# Altium PCB mppt.PcbDoc (part 1 of 5) (continued)
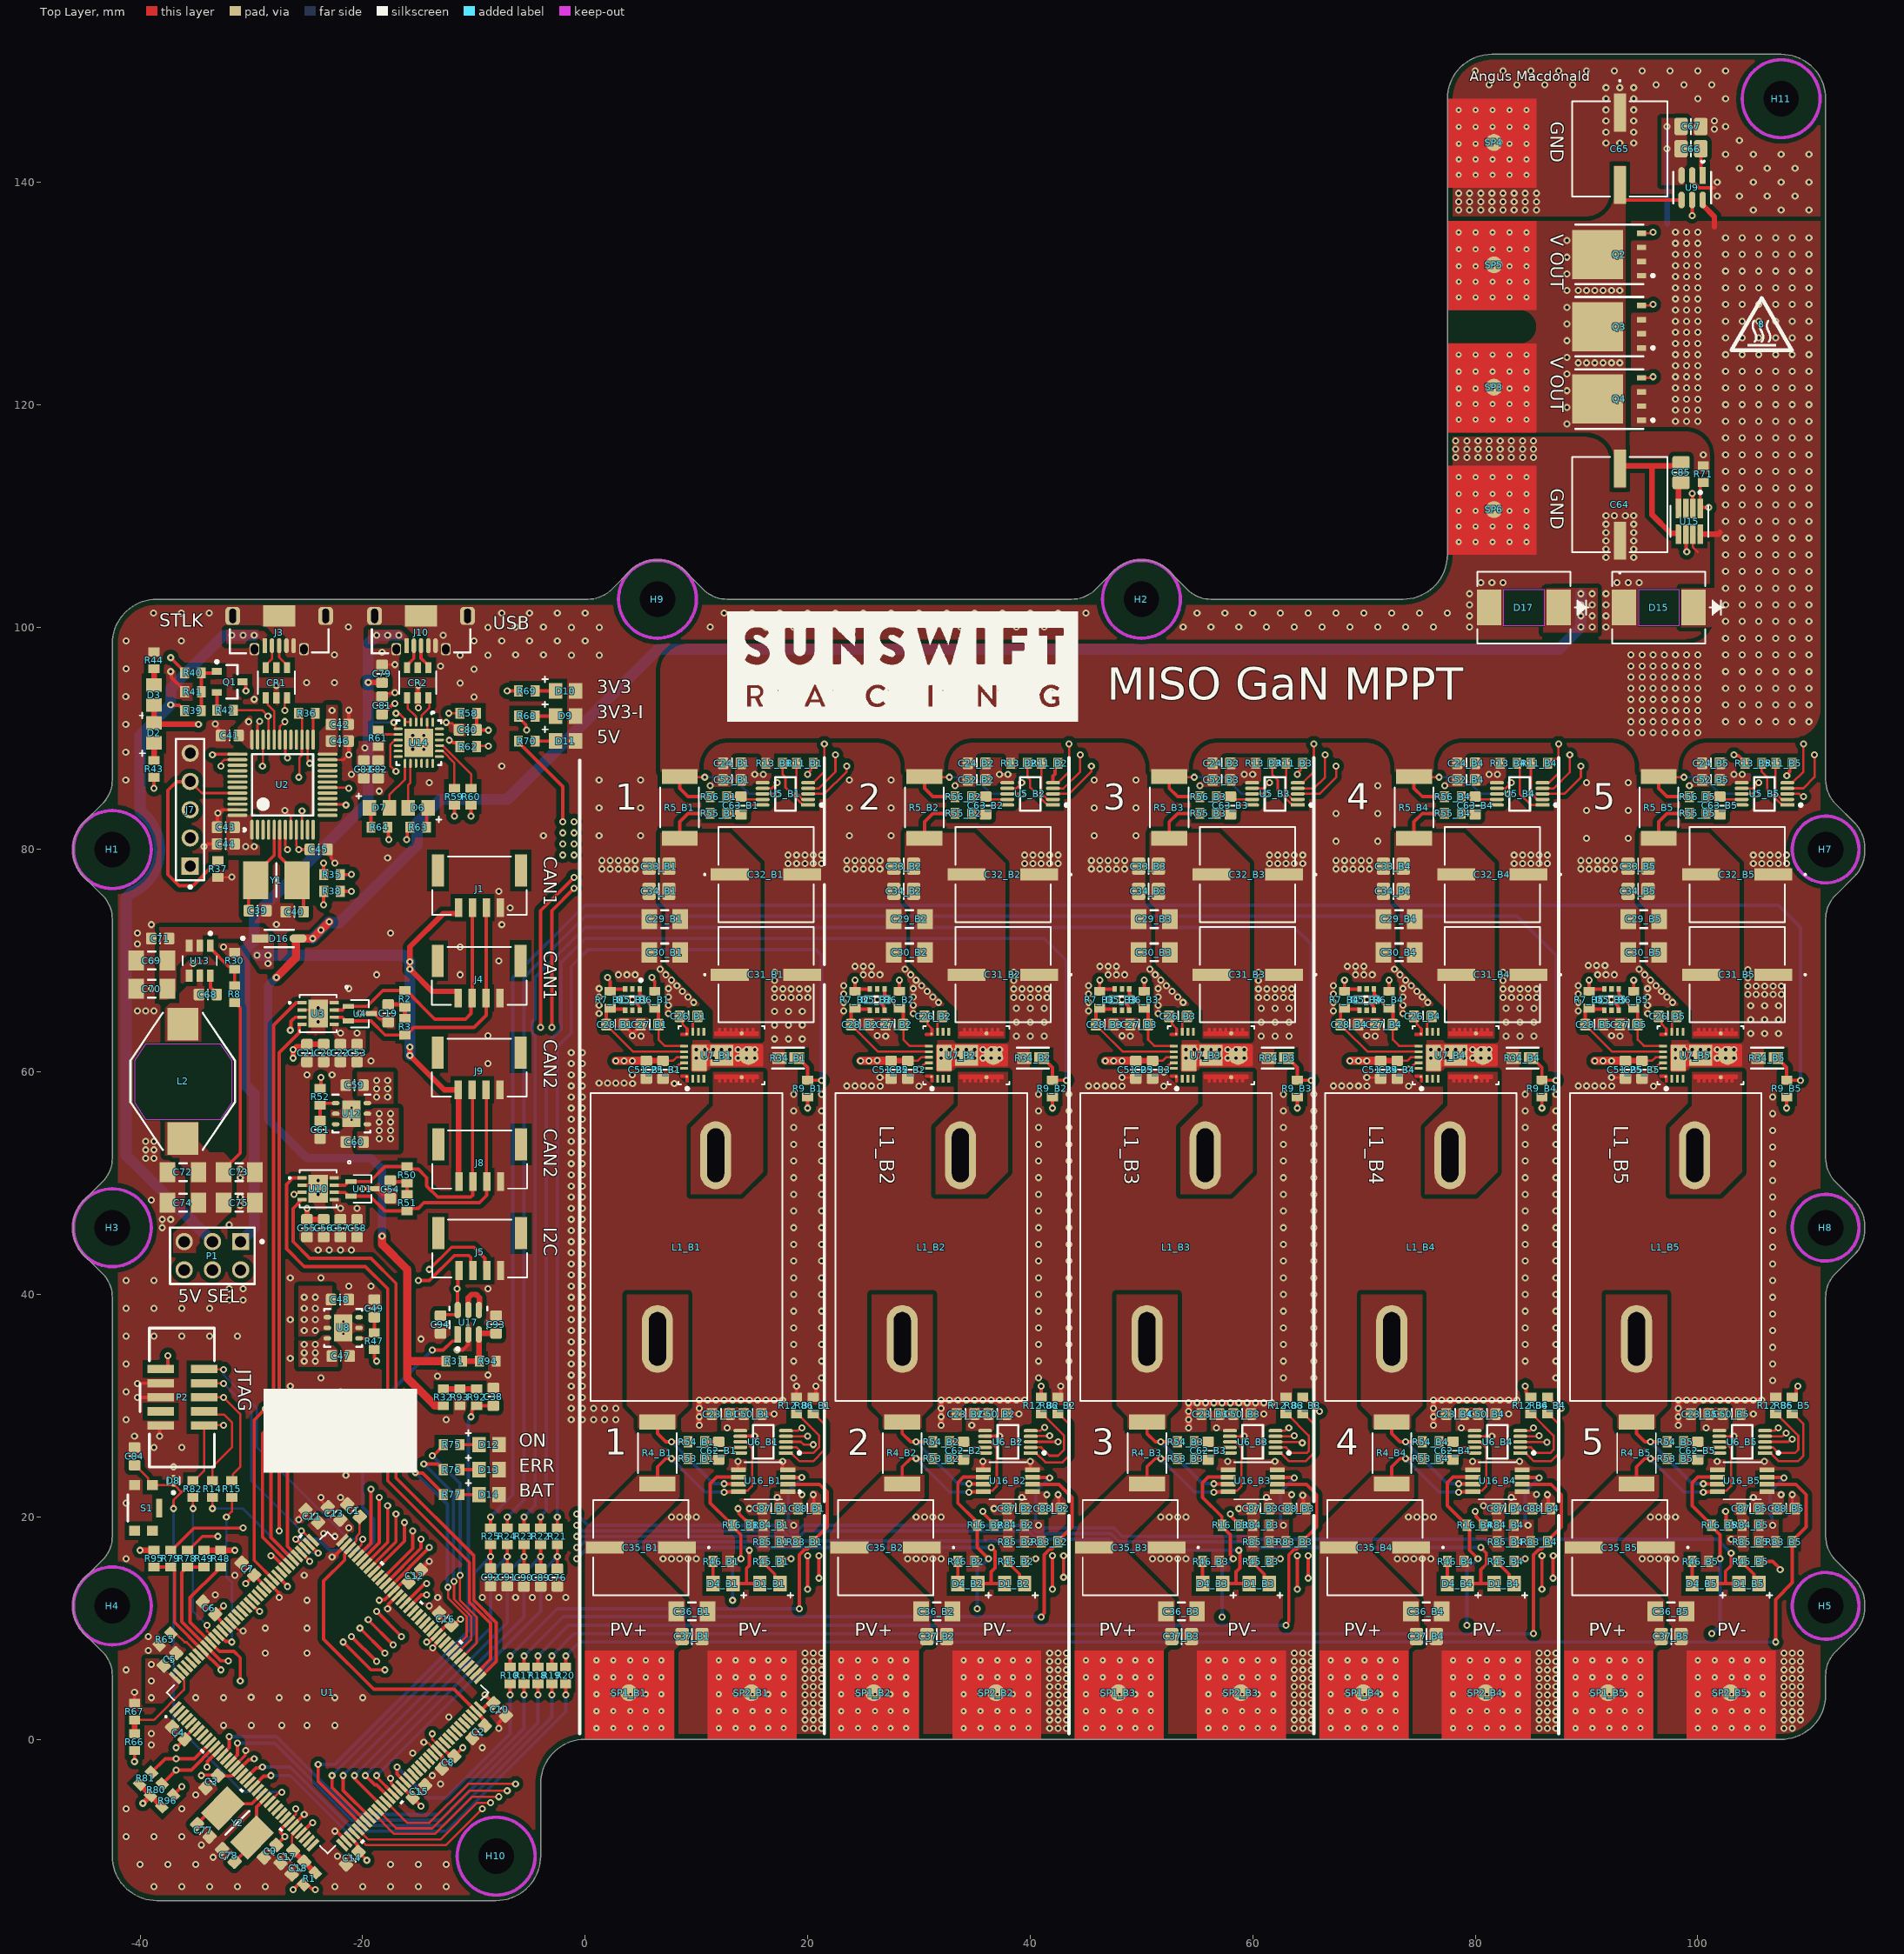
[diagram p0: Top Layer view]
## Components (designator, comment, footprint, x,y, rotation, side; value= is the part's Value field where it differs from the comment) (continued)
C31_B3 "EEEFK2A220P" CAP_EEE-FK2A220P_PAN 59.551,68.75 r180 top value=22µF (schematic designator C31)
C31_B4 "EEEFK2A220P" CAP_EEE-FK2A220P_PAN 81.551,68.75 r180 top value=22µF (schematic designator C31)
C31_B5 "EEEFK2A220P" CAP_EEE-FK2A220P_PAN 103.551,68.75 r180 top value=22µF (schematic designator C31)
C32_B1 "EEEFK2A220P" CAP_EEE-FK2A220P_PAN 16.251,77.75 r180 top value=22µF (schematic designator C32)
C32_B2 "EEEFK2A220P" CAP_EEE-FK2A220P_PAN 37.551,77.75 r180 top value=22µF (schematic designator C32)
C32_B3 "EEEFK2A220P" CAP_EEE-FK2A220P_PAN 59.551,77.75 r180 top value=22µF (schematic designator C32)
C32_B4 "EEEFK2A220P" CAP_EEE-FK2A220P_PAN 81.551,77.75 r180 top value=22µF (schematic designator C32)
C32_B5 "EEEFK2A220P" CAP_EEE-FK2A220P_PAN 103.551,77.75 r180 top value=22µF (schematic designator C32)
C33_B1 "CC0805KKX7R0BB224" C0805 5.75,78.5 r0 top value=220nF (schematic designator C33)
C33_B2 "CC0805KKX7R0BB224" C0805 27.75,78.5 r0 top value=220nF (schematic designator C33)
C33_B3 "CC0805KKX7R0BB224" C0805 49.75,78.5 r0 top value=220nF (schematic designator C33)
C33_B4 "CC0805KKX7R0BB224" C0805 71.75,78.5 r0 top value=220nF (schematic designator C33)
C33_B5 "CC0805KKX7R0BB224" C0805 93.75,78.5 r0 top value=220nF (schematic designator C33)
C34_B1 "CC0805KKX7R0BB224" C0805 5.75,76.25 r0 top value=220nF (schematic designator C34)
C34_B2 "CC0805KKX7R0BB224" C0805 27.75,76.25 r0 top value=220nF (schematic designator C34)
C34_B3 "CC0805KKX7R0BB224" C0805 49.75,76.25 r0 top value=220nF (schematic designator C34)
C34_B4 "CC0805KKX7R0BB224" C0805 71.75,76.25 r0 top value=220nF (schematic designator C34)
C34_B5 "CC0805KKX7R0BB224" C0805 93.75,76.25 r0 top value=220nF (schematic designator C34)
C35_B1 "EEEFK2A220P" CAP_EEE-FK2A220P_PAN 4.999,17.25 r180 top value=22µF (schematic designator C35)
C35_B2 "EEEFK2A220P" CAP_EEE-FK2A220P_PAN 26.999,17.25 r180 top value=22µF (schematic designator C35)
C35_B3 "EEEFK2A220P" CAP_EEE-FK2A220P_PAN 48.999,17.25 r180 top value=22µF (schematic designator C35)
C35_B4 "EEEFK2A220P" CAP_EEE-FK2A220P_PAN 70.999,17.25 r180 top value=22µF (schematic designator C35)
C35_B5 "EEEFK2A220P" CAP_EEE-FK2A220P_PAN 92.999,17.25 r180 top value=22µF (schematic designator C35)
C36_B1 "CC1206KKX7R0BB225" FP-CC1206-1_25-IPC_B 9.6,11.5 r0 top value=2.2µF (schematic designator C36)
C36_B2 "CC1206KKX7R0BB225" FP-CC1206-1_25-IPC_B 31.6,11.5 r0 top value=2.2µF (schematic designator C36)
C36_B3 "CC1206KKX7R0BB225" FP-CC1206-1_25-IPC_B 53.6,11.5 r0 top value=2.2µF (schematic designator C36)
C36_B4 "CC1206KKX7R0BB225" FP-CC1206-1_25-IPC_B 75.6,11.5 r0 top value=2.2µF (schematic designator C36)
C36_B5 "CC1206KKX7R0BB225" FP-CC1206-1_25-IPC_B 97.6,11.5 r0 top value=2.2µF (schematic designator C36)
C37_B1 "CC0805KKX7R0BB224" C0805 10.5,9.25 r180 top value=220nF (schematic designator C37)
C37_B2 "CC0805KKX7R0BB224" C0805 32.5,9.25 r180 top value=220nF (schematic designator C37)
C37_B3 "CC0805KKX7R0BB224" C0805 54.5,9.25 r180 top value=220nF (schematic designator C37)
C37_B4 "CC0805KKX7R0BB224" C0805 76.5,9.25 r180 top value=220nF (schematic designator C37)
C37_B5 "CC0805KKX7R0BB224" C0805 98.5,9.25 r180 top value=220nF (schematic designator C37)
C38 "CC0603KRX7R8BB104" C0603 -8.25,31.613 r270 top value=100nF
C39 "CC0603JPNPO9BN330" C0603 -28.637,74.5 r180 top value=33pF
C40 "CC0603JPNPO9BN330" C0603 -25.3,74.4 r180 top value=33pF
C41 "CC0603KRX7R8BB104" C0603 -32.763,90.25 r0 top value=100nF
C42 "CC0603KRX7R8BB104" C0603 -21.25,91.25 r180 top value=100nF
C43 "CC0603KRX7R8BB104" C0603 -33.113,82 r0 top value=100nF
C44 "CC0603KRX7R8BB104" C0603 -33.113,80.5 r0 top value=100nF
C45 "CC0603KRX7R8BB104" C0603 -23.137,80 r180 top value=100nF
C46 "CC0603KRX7R8BB104" C0603 -21.25,89.75 r180 top value=100nF
C47 "CC0603KRX5R7BB475" C0603 -21.153,34.46 r180 top value=4.7µF
C48 "CC0603KRX5R7BB475" C0603 -21.229,39.54 r180 top value=4.7µF
C49 "CC0603KRX7R8BB104" C0603 -18.95,39.563 r270 top value=100nF
C50_B1 "CC0603KRX7R7BB105" C0603 15.863,29.25 r180 top value=1µF (schematic designator C50)
C50_B2 "CC0603KRX7R7BB105" C0603 37.863,29.25 r180 top value=1µF (schematic designator C50)
C50_B3 "CC0603KRX7R7BB105" C0603 59.863,29.25 r180 top value=1µF (schematic designator C50)
C50_B4 "CC0603KRX7R7BB105" C0603 81.863,29.25 r180 top value=1µF (schematic designator C50)
C50_B5 "CC0603KRX7R7BB105" C0603 103.863,29.25 r180 top value=1µF (schematic designator C50)
C51_B1 "CC0603KRX7R7BB105" C0603 5.5,59.387 r90 top value=1µF (schematic designator C51)
C51_B2 "CC0603KRX7R7BB105" C0603 27.5,59.387 r90 top value=1µF (schematic designator C51)
C51_B3 "CC0603KRX7R7BB105" C0603 49.5,59.387 r90 top value=1µF (schematic designator C51)
C51_B4 "CC0603KRX7R7BB105" C0603 71.5,59.387 r90 top value=1µF (schematic designator C51)
C51_B5 "CC0603KRX7R7BB105" C0603 93.5,59.387 r90 top value=1µF (schematic designator C51)
C52_B1 "CC0603KRX7R7BB105" C0603 12.387,86.25 r0 top value=1µF (schematic designator C52)
C52_B2 "CC0603KRX7R7BB105" C0603 34.387,86.25 r0 top value=1µF (schematic designator C52)
C52_B3 "CC0603KRX7R7BB105" C0603 56.387,86.25 r0 top value=1µF (schematic designator C52)
C52_B4 "CC0603KRX7R7BB105" C0603 78.387,86.25 r0 top value=1µF (schematic designator C52)
C52_B5 "CC0603KRX7R7BB105" C0603 100.387,86.25 r0 top value=1µF (schematic designator C52)
C53 "CC0603KRX7R8BB104" C0603 -20.5,60.887 r90 top value=100nF
C54 "CC0603KRX7R8BB104" C0603 -17.5,48.637 r90 top value=100nF
C55 "CC0603KRX7R7BB105" C0603 -25,45.137 r90 top value=1µF
C56 "CC0603KRX7R8BB104" C0603 -23.5,45.137 r90 top value=100nF
C57 "CC0603KRX7R7BB105" C0603 -22,45.137 r90 top value=1µF
C58 "CC0603KRX7R8BB104" C0603 -20.5,45.137 r90 top value=100nF
C59 "CC0603KRX5R7BB475" C0603 -21.537,58.81 r0 top value=4.7µF
C60 "CC0603KRX5R7BB475" C0603 -21.537,53.71 r0 top value=4.7µF
C61 "CC0603KRX7R8BB104" C0603 -23.824,53.997 r90 top value=100nF
C62_B1 "CC0603JRX7R0BB104" C0603 12,26.763 r270 top value=100nF (schematic designator C62)
C62_B2 "CC0603JRX7R0BB104" C0603 34,26.763 r270 top value=100nF (schematic designator C62)
C62_B3 "CC0603JRX7R0BB104" C0603 56,26.763 r270 top value=100nF (schematic designator C62)
C62_B4 "CC0603JRX7R0BB104" C0603 78,26.763 r270 top value=100nF (schematic designator C62)
C62_B5 "CC0603JRX7R0BB104" C0603 100,26.763 r270 top value=100nF (schematic designator C62)
C63_B1 "CC0603JRX7R0BB104" C0603 14,84.763 r270 top value=100nF (schematic designator C63)
C63_B2 "CC0603JRX7R0BB104" C0603 36,84.763 r270 top value=100nF (schematic designator C63)
C63_B3 "CC0603JRX7R0BB104" C0603 58,84.763 r270 top value=100nF (schematic designator C63)
C63_B4 "CC0603JRX7R0BB104" C0603 80,84.763 r270 top value=100nF (schematic designator C63)
C63_B5 "CC0603JRX7R0BB104" C0603 102,84.763 r270 top value=100nF (schematic designator C63)
C64 "EEEFK2A220P" CAP_EEE-FK2A220P_PAN 93,111 r90 top value=22µF
C65 "EEEFK2A220P" CAP_EEE-FK2A220P_PAN 93,143 r270 top value=22µF
C66 "CC0805KKX7R0BB224" C0805 100.278,143 r180 top value=220nF
C67 "CC0805KKX7R0BB224" C0805 100.278,145 r180 top value=220nF
C68 "CC0603JRX7R0BB104" C0603 -33.099,66.964 r180 top value=100nF
C69 "CC1206KKX7R0BB225" FP-CC1206-1_25-IPC_B -38.958,70.02 r180 top value=2.2µF
C70 "CC1206KKX7R0BB225" FP-CC1206-1_25-IPC_B -38.958,67.48 r180 top value=2.2µF
C71 "CC0603JRX7R0BB104" C0603 -37.387,72 r180 top value=100nF
C72 "CC1206KKX7R6BB226" FP-CC1206-1_25-IPC_B -36.15,51 r180 top value=22µF
C73 "CC1206KKX7R6BB226" FP-CC1206-1_25-IPC_B -31.1,51 r0 top value=22µF
C74 "CC1206KKX7R6BB226" FP-CC1206-1_25-IPC_B -36.15,48.25 r180 top value=22µF
C75 "CC1206KKX7R6BB226" FP-CC1206-1_25-IPC_B -31.1,48.25 r0 top value=22µF
C76 "CC0603KRX7R8BB104" C0603 -2.5,13.737 r90 top value=100nF
C77 "CC0603JPNPO9BN330" C0603 -33.741,-8.759 r135 top value=33pF
C78 "CC0603JPNPO9BN330" C0603 -32.64,-9.86 r315 top value=33pF
C79 "CC0603KRX7R8BB104" C0603 -18.25,96.613 r270 top value=100nF
C80 "CC0603KRX5R7BB475" C0603 -11.363,90.75 r0 top value=4.7µF
C81 "CC0603KRX7R8BB104" C0603 -18.25,93.763 r270 top value=100nF
C82 "CC0603KRX5R7BB475" C0603 -18.6,86.387 r90 top value=4.7µF
C83 "CC0603KRX7R8BB104" C0603 -19.9,86.387 r90 top value=100nF
C84 "CC0603KRX7R8BB104" C0603 -40.5,26.263 r270 top value=100nF
C85 "CC0805KKX7R0BB224" C0805 98.5,113 r90 top value=220nF
C87_B1 "CC0603KRX7R7BB105" C0603 15.887,20.75 r0 top value=1µF (schematic designator C87)
C87_B2 "CC0603KRX7R7BB105" C0603 37.887,20.75 r0 top value=1µF (schematic designator C87)
C87_B3 "CC0603KRX7R7BB105" C0603 59.887,20.75 r0 top value=1µF (schematic designator C87)
C87_B4 "CC0603KRX7R7BB105" C0603 81.887,20.75 r0 top value=1µF (schematic designator C87)
C87_B5 "CC0603KRX7R7BB105" C0603 103.887,20.75 r0 top value=1µF (schematic designator C87)
C88_B1 "CC0603KRX7R8BB104" C0603 20.763,20.75 r180 top value=100nF (schematic designator C88)
C88_B2 "CC0603KRX7R8BB104" C0603 42.763,20.75 r180 top value=100nF (schematic designator C88)
C88_B3 "CC0603KRX7R8BB104" C0603 64.763,20.75 r180 top value=100nF (schematic designator C88)
C88_B4 "CC0603KRX7R8BB104" C0603 86.763,20.75 r180 top value=100nF (schematic designator C88)
C88_B5 "CC0603KRX7R8BB104" C0603 108.763,20.75 r180 top value=100nF (schematic designator C88)
C89 "CC0603KRX7R8BB104" C0603 -4,13.737 r90 top value=100nF
C90 "CC0603KRX7R8BB104" C0603 -5.5,13.737 r90 top value=100nF
C91 "CC0603KRX7R8BB104" C0603 -7,13.75 r90 top value=100nF
C92 "CC0603KRX7R8BB104" C0603 -8.5,13.75 r90 top value=100nF
C93 "CC0603KRX7R9BB102" C0603 -8,38.113 r270 top value=1nF
C94 "CC0603KRX7R8BB104" C0603 -13,36.487 r90 top value=100nF
CR1 "USBLC6-2SC6" SOT23-6L_STM -27.75,95 r90 top
CR2 "USBLC6-2SC6" SOT23-6L_STM -15.05,95 r90 top
D1_B1 "LED EMERALD 0805" "0805 LED" 16.6,14 r180 top (schematic designator D1)
D1_B2 "LED EMERALD 0805" "0805 LED" 38.6,14 r180 top (schematic designator D1)
D1_B3 "LED EMERALD 0805" "0805 LED" 60.6,14 r180 top (schematic designator D1)
D1_B4 "LED EMERALD 0805" "0805 LED" 82.6,14 r180 top (schematic designator D1)
D1_B5 "LED EMERALD 0805" "0805 LED" 104.6,14 r180 top (schematic designator D1)
D2 "LED EMERALD 0805" "0805 LED" -38.75,90.5 r90 top
D3 "LED RED 0805" "0805 LED" -38.75,93.9 r90 top
D4_B1 "LED RED 0805" "0805 LED" 12.4,14 r180 top (schematic designator D4)
D4_B2 "LED RED 0805" "0805 LED" 34.4,14 r180 top (schematic designator D4)
D4_B3 "LED RED 0805" "0805 LED" 56.4,14 r180 top (schematic designator D4)
D4_B4 "LED RED 0805" "0805 LED" 78.4,14 r180 top (schematic designator D4)
D4_B5 "LED RED 0805" "0805 LED" 100.4,14 r180 top (schematic designator D4)
D5_B1 "MBD54DWT1G" ONSC-SOT-363-6-419B-02_W_V 4.25,66.5 r270 top value=10pF (schematic designator D5)
D5_B2 "MBD54DWT1G" ONSC-SOT-363-6-419B-02_W_V 26.25,66.5 r270 top value=10pF (schematic designator D5)
D5_B3 "MBD54DWT1G" ONSC-SOT-363-6-419B-02_W_V 48.25,66.5 r270 top value=10pF (schematic designator D5)
D5_B4 "MBD54DWT1G" ONSC-SOT-363-6-419B-02_W_V 70.25,66.5 r270 top value=10pF (schematic designator D5)
D5_B5 "MBD54DWT1G" ONSC-SOT-363-6-419B-02_W_V 92.25,66.5 r270 top value=10pF (schematic designator D5)
D6 "LED RED 0805" "0805 LED" -15,83.75 r180 top
D7 "LED EMERALD 0805" "0805 LED" -18.5,83.75 r0 top
D8 "ESDALC6V1-1U2" FP-ST0201-MFG -37,23.25 r90 top value=12pF
D9 "LED EMERALD 0805" "0805 LED" -1.75,92 r0 top
D10 "LED EMERALD 0805" "0805 LED" -1.75,94.25 r0 top
D11 "LED EMERALD 0805" "0805 LED" -1.75,89.75 r0 top
D12 "LED EMERALD 0805" "0805 LED" -8.65,26.5 r0 top
D13 "LED RED 0805" "0805 LED" -8.65,24.25 r0 top
D14 "LED EMERALD 0805" "0805 LED" -8.65,22 r0 top
D15 "5.0SMDJ58A" 5.0SMDJSeries_LTF 96.5,101.75 r180 top
D16 "PMEG6010CEH" FP-SOD123-IPC_A -27.5,72 r0 top
D17 "5.0SMDJ58A" 5.0SMDJSeries_LTF 84.376,101.75 r180 top
H1 "MH_M3" MH_M3-Footprint-1 -42.5,80 r0 top
H2 "MH_M3" MH_M3-Footprint-1 50,102.5 r0 top
H3 "MH_M3" MH_M3-Footprint-1 -42.5,46 r0 top
H4 "MH_M3" MH_M3-Footprint-1 -42.5,12 r0 top
H5 "MH_M3" MH_M3-Footprint-1 111.5,12 r0 top
H7 "MH_M3" MH_M3-Footprint-1 111.5,80 r0 top
H8 "MH_M3" MH_M3-Footprint-1 111.5,46 r0 top
H9 "MH_M3" MH_M3-Footprint-1 6.5,102.5 r0 top
H10 "MH_M3" MH_M3-Footprint-1 -8,-10.5 r0 top
H11 "MH_M3" MH_M3-Footprint-1 107.5,147.5 r0 top
J1 "BM04B-GHS-TBT" CONN_BM04B-GHS-TBT_JST -9.5,76.75 r180 top
J3 "47590-0001" USB -28.8,98.325 r180 top
J4 "BM04B-GHS-TBT" CONN_BM04B-GHS-TBT_JST -9.525,68.627 r180 top
J5 "BM04B-GHS-TBT" CONN_BM04B-GHS-TBT_JST -9.475,44.127 r180 top
J7 "90120-0125" FP-90120-0125-MFG -35.5,83.58 r90 top
J8 "BM04B-GHS-TBT" CONN_BM04B-GHS-TBT_JST -9.475,52.127 r180 top
J9 "BM04B-GHS-TBT" CONN_BM04B-GHS-TBT_JST -9.525,60.376 r180 top
J10 "47590-0001" USB -16.05,98.325 r180 top
L1_B1 "VER2923-333KL" IND_VER2923_COC 11.73,52.51 r270 top locked (schematic designator L1)
L1_B2 "VER2923-333KL" IND_VER2923_COC 33.73,52.51 r270 top (schematic designator L1)
L1_B3 "VER2923-333KL" IND_VER2923_COC 55.73,52.51 r270 top (schematic designator L1)
L1_B4 "VER2923-333KL" IND_VER2923_COC 77.73,52.51 r270 top (schematic designator L1)
L1_B5 "VER2923-333KL" IND_VER2923_COC 99.73,52.51 r270 top (schematic designator L1)
L2 "DO3316P-153MLD" COIL-DO3316P_V -36.168,59.159 r270 top value=15µH
P1 "TSW-103-07-G-D" SMTC-TSW-103-07-G-D_V -33.5,43.48 r180 top
P2 "CON_SWD" "SMD, P=1.27mm" -38.226,33.163 r270 top value=FTSH-105-01-F-DV-K-P-TR
Q1 "BC847C-QR" TO-236AB-3 -31.95,95.075 r0 top
Q2 "BSC040N10NS5ATMA1" FP-PG-TDSON-8-MFG 92.05,133.5 r90 top
Q3 "BSC040N10NS5ATMA1" FP-PG-TDSON-8-MFG 92.05,127 r90 top
Q4 "BSC040N10NS5ATMA1" FP-PG-TDSON-8-MFG 92.05,120.5 r90 top
R1 "RC0603JR-070RL" RESC1608X55X25ML10T15 -24.78,-12.53 r45 top value=0Ω
R2 "RC0603FR-0760R4L" RESC1608X55X25ML10T15 -16.198,66.575 r90 top value=60.4Ω
R3 "RC0603FR-0760R4L" RESC1608X55X25ML10T15 -16.198,64.075 r90 top value=60.4Ω
R4_B1 "WSLF25123L000FEB" RES_3L000FEB_VIS 6.5,25.75 r90 top (schematic designator R4)
R4_B2 "WSLF25123L000FEB" RES_3L000FEB_VIS 28.5,25.75 r90 top (schematic designator R4)
R4_B3 "WSLF25123L000FEB" RES_3L000FEB_VIS 50.5,25.75 r90 top (schematic designator R4)
R4_B4 "WSLF25123L000FEB" RES_3L000FEB_VIS 72.5,25.75 r90 top (schematic designator R4)
R4_B5 "WSLF25123L000FEB" RES_3L000FEB_VIS 94.5,25.75 r90 top (schematic designator R4)
R5_B1 "WSLF25123L000FEB" RES_3L000FEB_VIS 8.5,83.781 r90 top (schematic designator R5)
R5_B2 "WSLF25123L000FEB" RES_3L000FEB_VIS 30.5,83.781 r90 top (schematic designator R5)
R5_B3 "WSLF25123L000FEB" RES_3L000FEB_VIS 52.5,83.781 r90 top (schematic designator R5)
R5_B4 "WSLF25123L000FEB" RES_3L000FEB_VIS 74.5,83.781 r90 top (schematic designator R5)
R5_B5 "WSLF25123L000FEB" RES_3L000FEB_VIS 96.5,83.781 r90 top (schematic designator R5)
R6_B1 "RC0603FR-07100RL" RESC1608X55X25ML10T15 6.25,66.5 r90 top value=100Ω (schematic designator R6)
R6_B2 "RC0603FR-07100RL" RESC1608X55X25ML10T15 28.25,66.5 r90 top value=100Ω (schematic designator R6)
R6_B3 "RC0603FR-07100RL" RESC1608X55X25ML10T15 50.25,66.5 r90 top value=100Ω (schematic designator R6)
R6_B4 "RC0603FR-07100RL" RESC1608X55X25ML10T15 72.25,66.5 r90 top value=100Ω (schematic designator R6)
R6_B5 "RC0603FR-07100RL" RESC1608X55X25ML10T15 94.25,66.5 r90 top value=100Ω (schematic designator R6)
R7_B1 "RC0603FR-07100RL" RESC1608X55X25ML10T15 2.25,66.5 r90 top value=100Ω (schematic designator R7)
R7_B2 "RC0603FR-07100RL" RESC1608X55X25ML10T15 24.25,66.5 r90 top value=100Ω (schematic designator R7)
R7_B3 "RC0603FR-07100RL" RESC1608X55X25ML10T15 46.25,66.5 r90 top value=100Ω (schematic designator R7)
R7_B4 "RC0603FR-07100RL" RESC1608X55X25ML10T15 68.25,66.5 r90 top value=100Ω (schematic designator R7)
R7_B5 "RC0603FR-07100RL" RESC1608X55X25ML10T15 90.25,66.5 r90 top value=100Ω (schematic designator R7)
R8 "RC0603FR-07100KL" RESC1608X55X25ML10T15 -31.5,67 r270 top value=100kΩ
R9_B1 "RC0603FR-0710KL" RESC1608X55X25ML10T15 20,58.5 r270 top value=10kΩ (schematic designator R9)
R9_B2 "RC0603FR-0710KL" RESC1608X55X25ML10T15 42,58.5 r270 top value=10kΩ (schematic designator R9)
R9_B3 "RC0603FR-0710KL" RESC1608X55X25ML10T15 64,58.5 r270 top value=10kΩ (schematic designator R9)
R9_B4 "RC0603FR-0710KL" RESC1608X55X25ML10T15 86,58.5 r270 top value=10kΩ (schematic designator R9)
R9_B5 "RC0603FR-0710KL" RESC1608X55X25ML10T15 108,58.5 r270 top value=10kΩ (schematic designator R9)
R10 "RC0603JR-070RL" RESC1608X55X25ML10T15 -6.75,5.75 r270 top value=0Ω
R11_B1 "RC0603JR-070RL" RESC1608X55X25ML10T15 19.75,87.75 r0 top value=0Ω (schematic designator R11)
R11_B2 "RC0603JR-070RL" RESC1608X55X25ML10T15 41.75,87.75 r0 top value=0Ω (schematic designator R11)
R11_B3 "RC0603JR-070RL" RESC1608X55X25ML10T15 63.75,87.75 r0 top value=0Ω (schematic designator R11)
R11_B4 "RC0603JR-070RL" RESC1608X55X25ML10T15 85.75,87.75 r0 top value=0Ω (schematic designator R11)
R11_B5 "RC0603JR-070RL" RESC1608X55X25ML10T15 107.75,87.75 r0 top value=0Ω (schematic designator R11)
R12_B1 "RC0603JR-070RL" RESC1608X55X25ML10T15 19,30 r270 top value=0Ω (schematic designator R12)
R12_B2 "RC0603JR-070RL" RESC1608X55X25ML10T15 41,30 r270 top value=0Ω (schematic designator R12)
R12_B3 "RC0603JR-070RL" RESC1608X55X25ML10T15 63,30 r270 top value=0Ω (schematic designator R12)
R12_B4 "RC0603JR-070RL" RESC1608X55X25ML10T15 85,30 r270 top value=0Ω (schematic designator R12)
R12_B5 "RC0603JR-070RL" RESC1608X55X25ML10T15 107,30 r270 top value=0Ω (schematic designator R12)
R13_B1 "RC0603JR-070RL" RESC1608X55X25ML10T15 17,87.75 r180 top value=0Ω (schematic designator R13)
R13_B2 "RC0603JR-070RL" RESC1608X55X25ML10T15 39,87.75 r180 top value=0Ω (schematic designator R13)
R13_B3 "RC0603JR-070RL" RESC1608X55X25ML10T15 61,87.75 r180 top value=0Ω (schematic designator R13)
R13_B4 "RC0603JR-070RL" RESC1608X55X25ML10T15 83,87.75 r180 top value=0Ω (schematic designator R13)
R13_B5 "RC0603JR-070RL" RESC1608X55X25ML10T15 105,87.75 r180 top value=0Ω (schematic designator R13)
R14 "RC0603JR-070RL" RESC1608X55X25ML10T15 -33.5,22.5 r90 top value=0Ω
R15 "RC0603JR-070RL" RESC1608X55X25ML10T15 -31.75,22.5 r90 top value=0Ω
R16_B1 "RC0603FR-074K7L" RESC1608X55X25ML10T15 14,19.25 r0 top value=4.7kΩ (schematic designator R16)
R16_B2 "RC0603FR-074K7L" RESC1608X55X25ML10T15 36,19.25 r0 top value=4.7kΩ (schematic designator R16)
R16_B3 "RC0603FR-074K7L" RESC1608X55X25ML10T15 58,19.25 r0 top value=4.7kΩ (schematic designator R16)
R16_B4 "RC0603FR-074K7L" RESC1608X55X25ML10T15 80,19.25 r0 top value=4.7kΩ (schematic designator R16)
R16_B5 "RC0603FR-074K7L" RESC1608X55X25ML10T15 102,19.25 r0 top value=4.7kΩ (schematic designator R16)
R17 "RC0603JR-070RL" RESC1608X55X25ML10T15 -5.5,5.75 r270 top value=0Ω
R18 "RC0603JR-070RL" RESC1608X55X25ML10T15 -4.25,5.75 r270 top value=0Ω
R19 "RC0603JR-070RL" RESC1608X55X25ML10T15 -3,5.75 r270 top value=0Ω
R20 "RC0603JR-070RL" RESC1608X55X25ML10T15 -1.75,5.75 r270 top value=0Ω
R21 "RC0603FR-101KL" RESC1608X55X25ML10T15 -2.5,18.25 r270 top value=1kΩ
R22 "RC0603FR-101KL" RESC1608X55X25ML10T15 -4,18.25 r270 top value=1kΩ
R23 "RC0603FR-101KL" RESC1608X55X25ML10T15 -5.5,18.25 r270 top value=1kΩ
R24 "RC0603FR-101KL" RESC1608X55X25ML10T15 -7,18.25 r270 top value=1kΩ
R25 "RC0603FR-101KL" RESC1608X55X25ML10T15 -8.5,18.25 r270 top value=1kΩ
R30 "RC0603FR-0719K1L" RESC1608X55X25ML10T15 -31.5,70 r270 top value=19.1kΩ
R31 "RC0603FR-07100KL" RESC1608X55X25ML10T15 -11.75,34 r180 top value=100kΩ
R32 "RC0603FR-07100KL" RESC1608X55X25ML10T15 -12.75,30.75 r270 top value=100kΩ
R34_B1 "NCU18XH103F6SRB" FP-NCU18-0_15-IPC_A 18.25,61.25 r0 top value=10kΩ (schematic designator R34)
R34_B2 "NCU18XH103F6SRB" FP-NCU18-0_15-IPC_A 40.25,61.25 r0 top value=10kΩ (schematic designator R34)
R34_B3 "NCU18XH103F6SRB" FP-NCU18-0_15-IPC_A 62.25,61.25 r0 top value=10kΩ (schematic designator R34)
R34_B4 "NCU18XH103F6SRB" FP-NCU18-0_15-IPC_A 84.25,61.25 r0 top value=10kΩ (schematic designator R34)
R34_B5 "NCU18XH103F6SRB" FP-NCU18-0_15-IPC_A 106.25,61.25 r0 top value=10kΩ (schematic designator R34)
R35 "RC0603FR-0710KL" RESC1608X55X25ML10T15 -22.75,77.75 r180 top value=10kΩ
R36 "RC0603FR-07100RL" RESC1608X55X25ML10T15 -25,92.25 r180 top value=100Ω
R37 "RC0603FR-07100KL" RESC1608X55X25ML10T15 -33,78.25 r270 top value=100kΩ
R38 "RC0603FR-07100KL" RESC1608X55X25ML10T15 -22.75,76.25 r180 top value=100kΩ
R39 "RC0603FR-0710KL" RESC1608X55X25ML10T15 -35.25,92.475 r0 top value=10kΩ
R40 "RC0603FR-07100RL" RESC1608X55X25ML10T15 -35.25,95.875 r0 top value=100Ω
R41 "RC0603FR-0710KL" RESC1608X55X25ML10T15 -35.25,94.175 r180 top value=10kΩ
R42 "RC0603JR-071K5L" RESC1608X55X25ML10T15 -32.35,92.525 r180 top value=1.5kΩ
R43 "RC0603FR-101KL" RESC1608X55X25ML10T15 -38.75,87.25 r90 top value=1kΩ
R44 "RC0603FR-101KL" RESC1608X55X25ML10T15 -38.75,97 r90 top value=1kΩ
R45_B1 "RC0603FR-101KL" RESC1608X55X25ML10T15 16.75,16 r180 top value=1kΩ (schematic designator R45)
R45_B2 "RC0603FR-101KL" RESC1608X55X25ML10T15 38.75,16 r180 top value=1kΩ (schematic designator R45)
R45_B3 "RC0603FR-101KL" RESC1608X55X25ML10T15 60.75,16 r180 top value=1kΩ (schematic designator R45)
R45_B4 "RC0603FR-101KL" RESC1608X55X25ML10T15 82.75,16 r180 top value=1kΩ (schematic designator R45)
R45_B5 "RC0603FR-101KL" RESC1608X55X25ML10T15 104.75,16 r180 top value=1kΩ (schematic designator R45)
R46_B1 "RC0603FR-101KL" RESC1608X55X25ML10T15 12.25,16 r0 top value=1kΩ (schematic designator R46)
R46_B2 "RC0603FR-101KL" RESC1608X55X25ML10T15 34.25,16 r0 top value=1kΩ (schematic designator R46)
R46_B3 "RC0603FR-101KL" RESC1608X55X25ML10T15 56.25,16 r0 top value=1kΩ (schematic designator R46)
R46_B4 "RC0603FR-101KL" RESC1608X55X25ML10T15 78.25,16 r0 top value=1kΩ (schematic designator R46)
R46_B5 "RC0603FR-101KL" RESC1608X55X25ML10T15 100.25,16 r0 top value=1kΩ (schematic designator R46)
R47 "RC0603FR-0710KL" RESC1608X55X25ML10T15 -18.95,35.8 r90 top value=10kΩ
R48 "RC0603FR-074K7L" RESC1608X55X25ML10T15 -32.75,16.25 r90 top value=4.7kΩ
R49 "RC0603FR-074K7L" RESC1608X55X25ML10T15 -34.25,16.25 r90 top value=4.7kΩ
R50 "RC0603FR-0760R4L" RESC1608X55X25ML10T15 -16,50.75 r90 top value=60.4Ω
R51 "RC0603FR-0760R4L" RESC1608X55X25ML10T15 -16,48.25 r90 top value=60.4Ω
R52 "RC0603FR-0710KL" RESC1608X55X25ML10T15 -23.824,57.76 r270 top value=10kΩ
R53_B1 "RC0603FR-07100RL" RESC1608X55X25ML10T15 10,25.25 r180 top value=100Ω (schematic designator R53)
R53_B2 "RC0603FR-07100RL" RESC1608X55X25ML10T15 32,25.25 r180 top value=100Ω (schematic designator R53)
R53_B3 "RC0603FR-07100RL" RESC1608X55X25ML10T15 54,25.25 r180 top value=100Ω (schematic designator R53)
R53_B4 "RC0603FR-07100RL" RESC1608X55X25ML10T15 76,25.25 r180 top value=100Ω (schematic designator R53)
R53_B5 "RC0603FR-07100RL" RESC1608X55X25ML10T15 98,25.25 r180 top value=100Ω (schematic designator R53)
R54_B1 "RC0603FR-07100RL" RESC1608X55X25ML10T15 10,26.75 r180 top value=100Ω (schematic designator R54)
R54_B2 "RC0603FR-07100RL" RESC1608X55X25ML10T15 32,26.75 r180 top value=100Ω (schematic designator R54)
R54_B3 "RC0603FR-07100RL" RESC1608X55X25ML10T15 54,26.75 r180 top value=100Ω (schematic designator R54)
R54_B4 "RC0603FR-07100RL" RESC1608X55X25ML10T15 76,26.75 r180 top value=100Ω (schematic designator R54)
R54_B5 "RC0603FR-07100RL" RESC1608X55X25ML10T15 98,26.75 r180 top value=100Ω (schematic designator R54)
R55_B1 "RC0603FR-07100RL" RESC1608X55X25ML10T15 12,83.25 r180 top value=100Ω (schematic designator R55)
R55_B2 "RC0603FR-07100RL" RESC1608X55X25ML10T15 34,83.25 r180 top value=100Ω (schematic designator R55)
R55_B3 "RC0603FR-07100RL" RESC1608X55X25ML10T15 56,83.25 r180 top value=100Ω (schematic designator R55)
R55_B4 "RC0603FR-07100RL" RESC1608X55X25ML10T15 78,83.25 r180 top value=100Ω (schematic designator R55)
R55_B5 "RC0603FR-07100RL" RESC1608X55X25ML10T15 100,83.25 r180 top value=100Ω (schematic designator R55)
R56_B1 "RC0603FR-07100RL" RESC1608X55X25ML10T15 12,84.75 r180 top value=100Ω (schematic designator R56)
R56_B2 "RC0603FR-07100RL" RESC1608X55X25ML10T15 34,84.75 r180 top value=100Ω (schematic designator R56)
R56_B3 "RC0603FR-07100RL" RESC1608X55X25ML10T15 56,84.75 r180 top value=100Ω (schematic designator R56)
R56_B4 "RC0603FR-07100RL" RESC1608X55X25ML10T15 78,84.75 r180 top value=100Ω (schematic designator R56)
R56_B5 "RC0603FR-07100RL" RESC1608X55X25ML10T15 100,84.75 r180 top value=100Ω (schematic designator R56)
R58 "DNP" RESC1608X55X25ML10T15 -10.5,92.25 r180 top value=0Ω
R59 "RC0603JR-070RL" RESC1608X55X25ML10T15 -11.75,84.75 r90 top value=0Ω
R60 "RC0603JR-070RL" RESC1608X55X25ML10T15 -10.25,84.75 r90 top value=0Ω
R61 "RC0603FR-072K2L" RESC1608X55X25ML10T15 -18.6,90 r270 top value=2.2kΩ
R62 "RC0603FR-101KL" RESC1608X55X25ML10T15 -10.5,89.25 r0 top value=1kΩ
R63 "RC0603FR-101KL" RESC1608X55X25ML10T15 -15,82 r180 top value=1kΩ
R64 "RC0603FR-101KL" RESC1608X55X25ML10T15 -18.5,82 r0 top value=1kΩ
R65 "RC0603FR-0710KL" RESC1608X55X25ML10T15 -37.75,9 r225 top value=10kΩ
R66 "RC0603FR-0710KL" RESC1608X55X25ML10T15 -40.5,-0.25 r90 top value=10kΩ
R67 "RC0603FR-0710KL" RESC1608X55X25ML10T15 -40.5,2.5 r90 top value=10kΩ
R68 "RC0603FR-101KL" RESC1608X55X25ML10T15 -5.25,92 r0 top value=1kΩ
R69 "RC0603FR-101KL" RESC1608X55X25ML10T15 -5.25,94.25 r0 top value=1kΩ
R70 "RC0603FR-101KL" RESC1608X55X25ML10T15 -5.25,89.75 r0 top value=1kΩ
R71 "RC0603FR-0710KL" RESC1608X55X25ML10T15 100.5,113.75 r270 top value=10kΩ
R75 "RC0603FR-101KL" RESC1608X55X25ML10T15 -12,26.5 r0 top value=1kΩ
R76 "RC0603FR-101KL" RESC1608X55X25ML10T15 -12,24.25 r180 top value=1kΩ
R77 "RC0603FR-101KL" RESC1608X55X25ML10T15 -12,22 r0 top value=1kΩ
R78 "RC0603JR-070RL" RESC1608X55X25ML10T15 -35.75,16.25 r270 top value=0Ω
R79 "RC0603JR-070RL" RESC1608X55X25ML10T15 -37.25,16.25 r270 top value=0Ω
R80 "RC0603FR-074K7L" RESC1608X55X25ML10T15 -38.53,-4.53 r225 top value=4.7kΩ
R81 "RC0603FR-074K7L" RESC1608X55X25ML10T15 -39.5,-3.5 r225 top value=4.7kΩ
R82 "RC0603JR-070RL" RESC1608X55X25ML10T15 -35.25,22.5 r90 top value=0Ω
R83_B1 "RC0603FR-0710KL" RESC1608X55X25ML10T15 19.75,17.75 r0 top value=10kΩ (schematic designator R83)
R83_B2 "RC0603FR-0710KL" RESC1608X55X25ML10T15 41.75,17.75 r0 top value=10kΩ (schematic designator R83)
R83_B3 "RC0603FR-0710KL" RESC1608X55X25ML10T15 63.75,17.75 r0 top value=10kΩ (schematic designator R83)
R83_B4 "RC0603FR-0710KL" RESC1608X55X25ML10T15 85.75,17.75 r0 top value=10kΩ (schematic designator R83)
R83_B5 "RC0603FR-0710KL" RESC1608X55X25ML10T15 107.75,17.75 r0 top value=10kΩ (schematic designator R83)
R84_B1 "RC0603FR-0710KL" RESC1608X55X25ML10T15 16.75,19.25 r0 top value=10kΩ (schematic designator R84)
R84_B2 "RC0603FR-0710KL" RESC1608X55X25ML10T15 38.75,19.25 r0 top value=10kΩ (schematic designator R84)
R84_B3 "RC0603FR-0710KL" RESC1608X55X25ML10T15 60.75,19.25 r0 top value=10kΩ (schematic designator R84)
R84_B4 "RC0603FR-0710KL" RESC1608X55X25ML10T15 82.75,19.25 r0 top value=10kΩ (schematic designator R84)
R84_B5 "RC0603FR-0710KL" RESC1608X55X25ML10T15 104.75,19.25 r0 top value=10kΩ (schematic designator R84)
R85_B1 "RC0603FR-0710KL" RESC1608X55X25ML10T15 16.75,17.75 r0 top value=10kΩ (schematic designator R85)
R85_B2 "RC0603FR-0710KL" RESC1608X55X25ML10T15 38.75,17.75 r0 top value=10kΩ (schematic designator R85)
R85_B3 "RC0603FR-0710KL" RESC1608X55X25ML10T15 60.75,17.75 r0 top value=10kΩ (schematic designator R85)
R85_B4 "RC0603FR-0710KL" RESC1608X55X25ML10T15 82.75,17.75 r0 top value=10kΩ (schematic designator R85)
R85_B5 "RC0603FR-0710KL" RESC1608X55X25ML10T15 104.75,17.75 r0 top value=10kΩ (schematic designator R85)
R86_B1 "RC0603JR-070RL" RESC1608X55X25ML10T15 20.5,30 r270 top value=0Ω (schematic designator R86)
R86_B2 "RC0603JR-070RL" RESC1608X55X25ML10T15 42.5,30 r270 top value=0Ω (schematic designator R86)
R86_B3 "RC0603JR-070RL" RESC1608X55X25ML10T15 64.5,30 r270 top value=0Ω (schematic designator R86)
R86_B4 "RC0603JR-070RL" RESC1608X55X25ML10T15 86.5,30 r270 top value=0Ω (schematic designator R86)
R86_B5 "RC0603JR-070RL" RESC1608X55X25ML10T15 108.5,30 r270 top value=0Ω (schematic designator R86)
R92 "RC0603FR-101KL" RESC1608X55X25ML10T15 -9.75,30.75 r270 top value=1kΩ
R93 "RC0603FR-135K23L" RESC1608X55X25ML10T15 -11.25,30.75 r90 top value=5.23kΩ
R94 "RC0603FR-072K05L" RESC1608X55X25ML10T15 -8.75,34 r180 top value=2.05kΩ
R95 "RC0603FR-074K7L" RESC1608X55X25ML10T15 -38.75,16.25 r90 top value=4.7kΩ
R96 "RC0603FR-074K7L" RESC1608X55X25ML10T15 -37.53,-5.53 r225 top value=4.7kΩ
S1 "SMD Push Button" "SMD Push Button-Footprint-1" -38.938,22.832 r270 top
SP1_B1 "Solder Pad" "Solder Pad-Footprint-1" 0,0 r0 top (schematic designator SP1)
SP1_B2 "Solder Pad" "Solder Pad-Footprint-1" 22,0 r0 top (schematic designator SP1)
SP1_B3 "Solder Pad" "Solder Pad-Footprint-1" 44,0 r0 top (schematic designator SP1)
SP1_B4 "Solder Pad" "Solder Pad-Footprint-1" 66,0 r0 top (schematic designator SP1)
SP1_B5 "Solder Pad" "Solder Pad-Footprint-1" 88,0 r0 top (schematic designator SP1)
SP2_B1 "Solder Pad" "Solder Pad-Footprint-1" 11,0 r0 top (schematic designator SP2)
SP2_B2 "Solder Pad" "Solder Pad-Footprint-1" 33,0 r0 top (schematic designator SP2)
SP2_B3 "Solder Pad" "Solder Pad-Footprint-1" 55,0 r0 top (schematic designator SP2)
SP2_B4 "Solder Pad" "Solder Pad-Footprint-1" 77,0 r0 top (schematic designator SP2)
SP2_B5 "Solder Pad" "Solder Pad-Footprint-1" 99,0 r0 top (schematic designator SP2)
SP3 "Solder Pad" "Solder Pad-Footprint-1" 77.5,125.5 r270 top
SP4 "Solder Pad" "Solder Pad-Footprint-1" 77.5,147.5 r270 top
SP5 "Solder Pad" "Solder Pad-Footprint-1" 77.5,136.5 r270 top
SP6 "Solder Pad" "Solder Pad-Footprint-1" 77.5,114.5 r270 top
U1 "STM32H743ZIT6" LQFP144-20x20mm -23.15,4.2 r45 top
U2 "STM32F103CBT6" STM-LQFP48_N -27.2,85.825 r90 top
U3 "TCAN1044DRBRQ1" SON_4DRBRQ1_TEX -24,65.25 r0 top
U4 "ESDCAN05-2BWY" SOT323-3L_STM -20.25,65.25 r270 top
U5_B1 "INA228AIDGSR" FP-DGS0010A-IPC_C 18,85 r180 top (schematic designator U5)
U5_B2 "INA228AIDGSR" FP-DGS0010A-IPC_C 40,85 r180 top (schematic designator U5)
U5_B3 "INA228AIDGSR" FP-DGS0010A-IPC_C 62,85 r180 top (schematic designator U5)
U5_B4 "INA228AIDGSR" FP-DGS0010A-IPC_C 84,85 r180 top (schematic designator U5)
U5_B5 "INA228AIDGSR" FP-DGS0010A-IPC_C 106,85 r180 top (schematic designator U5)
U6_B1 "INA228AIDGSR" FP-DGS0010A-IPC_C 16,26.75 r180 top (schematic designator U6)
U6_B2 "INA228AIDGSR" FP-DGS0010A-IPC_C 38,26.75 r180 top (schematic designator U6)
U6_B3 "INA228AIDGSR" FP-DGS0010A-IPC_C 60,26.75 r180 top (schematic designator U6)
U6_B4 "INA228AIDGSR" FP-DGS0010A-IPC_C 82,26.75 r180 top (schematic designator U6)
U6_B5 "INA228AIDGSR" FP-DGS0010A-IPC_C 104,26.75 r180 top (schematic designator U6)
U7_B1 "LMG2100R026VBNR" VBN0018A-MFG 12.25,61.5 r90 top (schematic designator U7)
U7_B2 "LMG2100R026VBNR" VBN0018A-MFG 34.25,61.5 r90 top (schematic designator U7)
U7_B3 "LMG2100R026VBNR" VBN0018A-MFG 56.25,61.5 r90 top (schematic designator U7)
U7_B4 "LMG2100R026VBNR" VBN0018A-MFG 78.25,61.5 r90 top (schematic designator U7)
U7_B5 "LMG2100R026VBNR" VBN0018A-MFG 100.25,61.5 r90 top (schematic designator U7)
U8 "ST1L05CPU33R" DFN6D_L -21.75,37 r180 top
U9 "LM74700QDBVRQ1" FP-DBV0006A-IPC_B 99.5,139.5 r270 top
U10 "TCAN1044DRBRQ1" SON_4DRBRQ1_TEX -24,49.5 r0 top
U11 "ESDCAN05-2BWY" SOT323-3L_STM -20,49.5 r270 top
U12 "ST1L05CPU33R" DFN6D_L -21,56.25 r0 top
U13 "LMR51625XDDCR" DDC0006A-MFG -34.636,70.012 r270 top
U14 "CP2102N-A02-GQFN24R" FP-CP2102N-A02-GQFN24R-IPC_C -14.95,89.6 r270 top
U15 "LM74502DDFR" DDF0008A-IPC_A 99.25,109.5 r270 top
U16_B1 "INA310A2IDGKR" VSSOP8_DGK_TEX 16,23.25 r180 top (schematic designator U16)
U16_B2 "INA310A2IDGKR" VSSOP8_DGK_TEX 38,23.25 r180 top (schematic designator U16)
U16_B3 "INA310A2IDGKR" VSSOP8_DGK_TEX 60,23.25 r180 top (schematic designator U16)
U16_B4 "INA310A2IDGKR" VSSOP8_DGK_TEX 82,23.25 r180 top (schematic designator U16)
U16_B5 "INA310A2IDGKR" VSSOP8_DGK_TEX 104,23.25 r180 top (schematic designator U16)
U17 "TLV3012AIDBVR" FP-DBV0006A-IPC_B -10.5,37.5 r90 top
Y1 "X50328MSB2GI" RESC5032X135N -27.75,77.25 r180 top
Y2 "X50328MSB2GI" RESC5032X135N -31.25,-7.5 r135 top

## Footprints (in the part's own frame and the unit in brackets; to place one, negate y for a bottom-side part, rotate by r counter-clockwise, add the part's x,y. Pads: shape width x height; smd on the part's side, far side on the other; paste and mask are expansions set on the pad)
5.0SMDJSeries_LTF [mil]
  rect 86x126 smd paste+0 mask+0: 1(-123,0) 2(123,0)
  Keep-Out Layer region: -70.87,-65 -70.87,65 70.87,65 70.87,-65
  silkscreen extent -230,-128 165,128, body extent -160,-123 160,123, height 105
"0805 LED" [mm] "Flat or right angle LED"
  rect 1.2x1.4 smd: A(-0.9,0) K(0.9,0)
  silkscreen extent -2.1,0.8 -1.6,1.3, body extent -0.8,-0.4 0.8,0.4, height 0.56
C0603 [mm] "Capacitor 0603 Footprint"
  rrect30% 0.945x1.05 smd: 1(0.013,0) 2(1.613,0)
  silkscreen extent 0.81,-0.46 0.81,0.46, body extent -0.06,-0.48 1.69,0.48, height 0.95
C0805 [mm] "Capacitor 0805 Footprint"
  rrect30% 1.2x1.55 smd: 1(0,0) 2(1.778,0)
  silkscreen extent 0.89,-0.71 0.89,0.71, body extent -0.09,-0.7 1.91,0.65, height 1.26
CAP_EEE-FK2A220P_PAN [mil]
  rect 134x43 smd paste+0 mask+0: 1(-128,0) 2(128,0)
  silkscreen extent -169,-169 220,169, body extent -191,-163 191,163, height 402
COIL-DO3316P_V [mm] "SMD, 2-Leads, Body 9.4x12.95mm"
  rect 2.92x2.79 smd paste+0: 1(-5.145,0) 2(5.145,0)
  silkscreen extent -6.17,-4.7 6.17,4.7, body extent -6.48,-4.7 6.48,4.7, height 5.21
CONN_BM04B-GHS-TBT_JST [mil]
  rect 26x67 smd paste+0 mask+0: 1(73.82,77.82) 2(24.61,77.82) 3(-24.61,77.82) 4(-73.82,77.82)
  rect 43x114 smd paste+0 mask+0: 5(-146.65,-54.07) 6(146.65,-54.07)
  silkscreen extent -167,-103 168,102, body extent -162,-100 162,95, height 165
DDC0006A-MFG [mm]
  rect 1.1x0.6 smd paste+0 mask+0: 1(-1.35,0.95) 2(-1.35,0) 3(-1.35,-0.95) 4(1.35,-0.95) 5(1.35,0) 6(1.35,0.95)
  silkscreen extent -2.57,-1.53 0.42,1.53, body extent -1.44,-1.45 1.44,1.45, height 0.95
DDF0008A-IPC_A [mm]
  rect 1.757x0.5 smd paste+0 mask+0: 1(-1.151,0.975) 2(-1.151,0.325) 3(-1.151,-0.325) 4(-1.151,-0.975) 5(1.151,-0.975) 6(1.151,-0.325) 7(1.151,0.325) 8(1.151,0.975)
  silkscreen extent -2.73,-1.7 1.4,1.7, body extent -1.41,-1.45 1.41,1.45, height 0.9